# Altium PCB PCB2.PcbDoc (part 1 of 2) (continued)
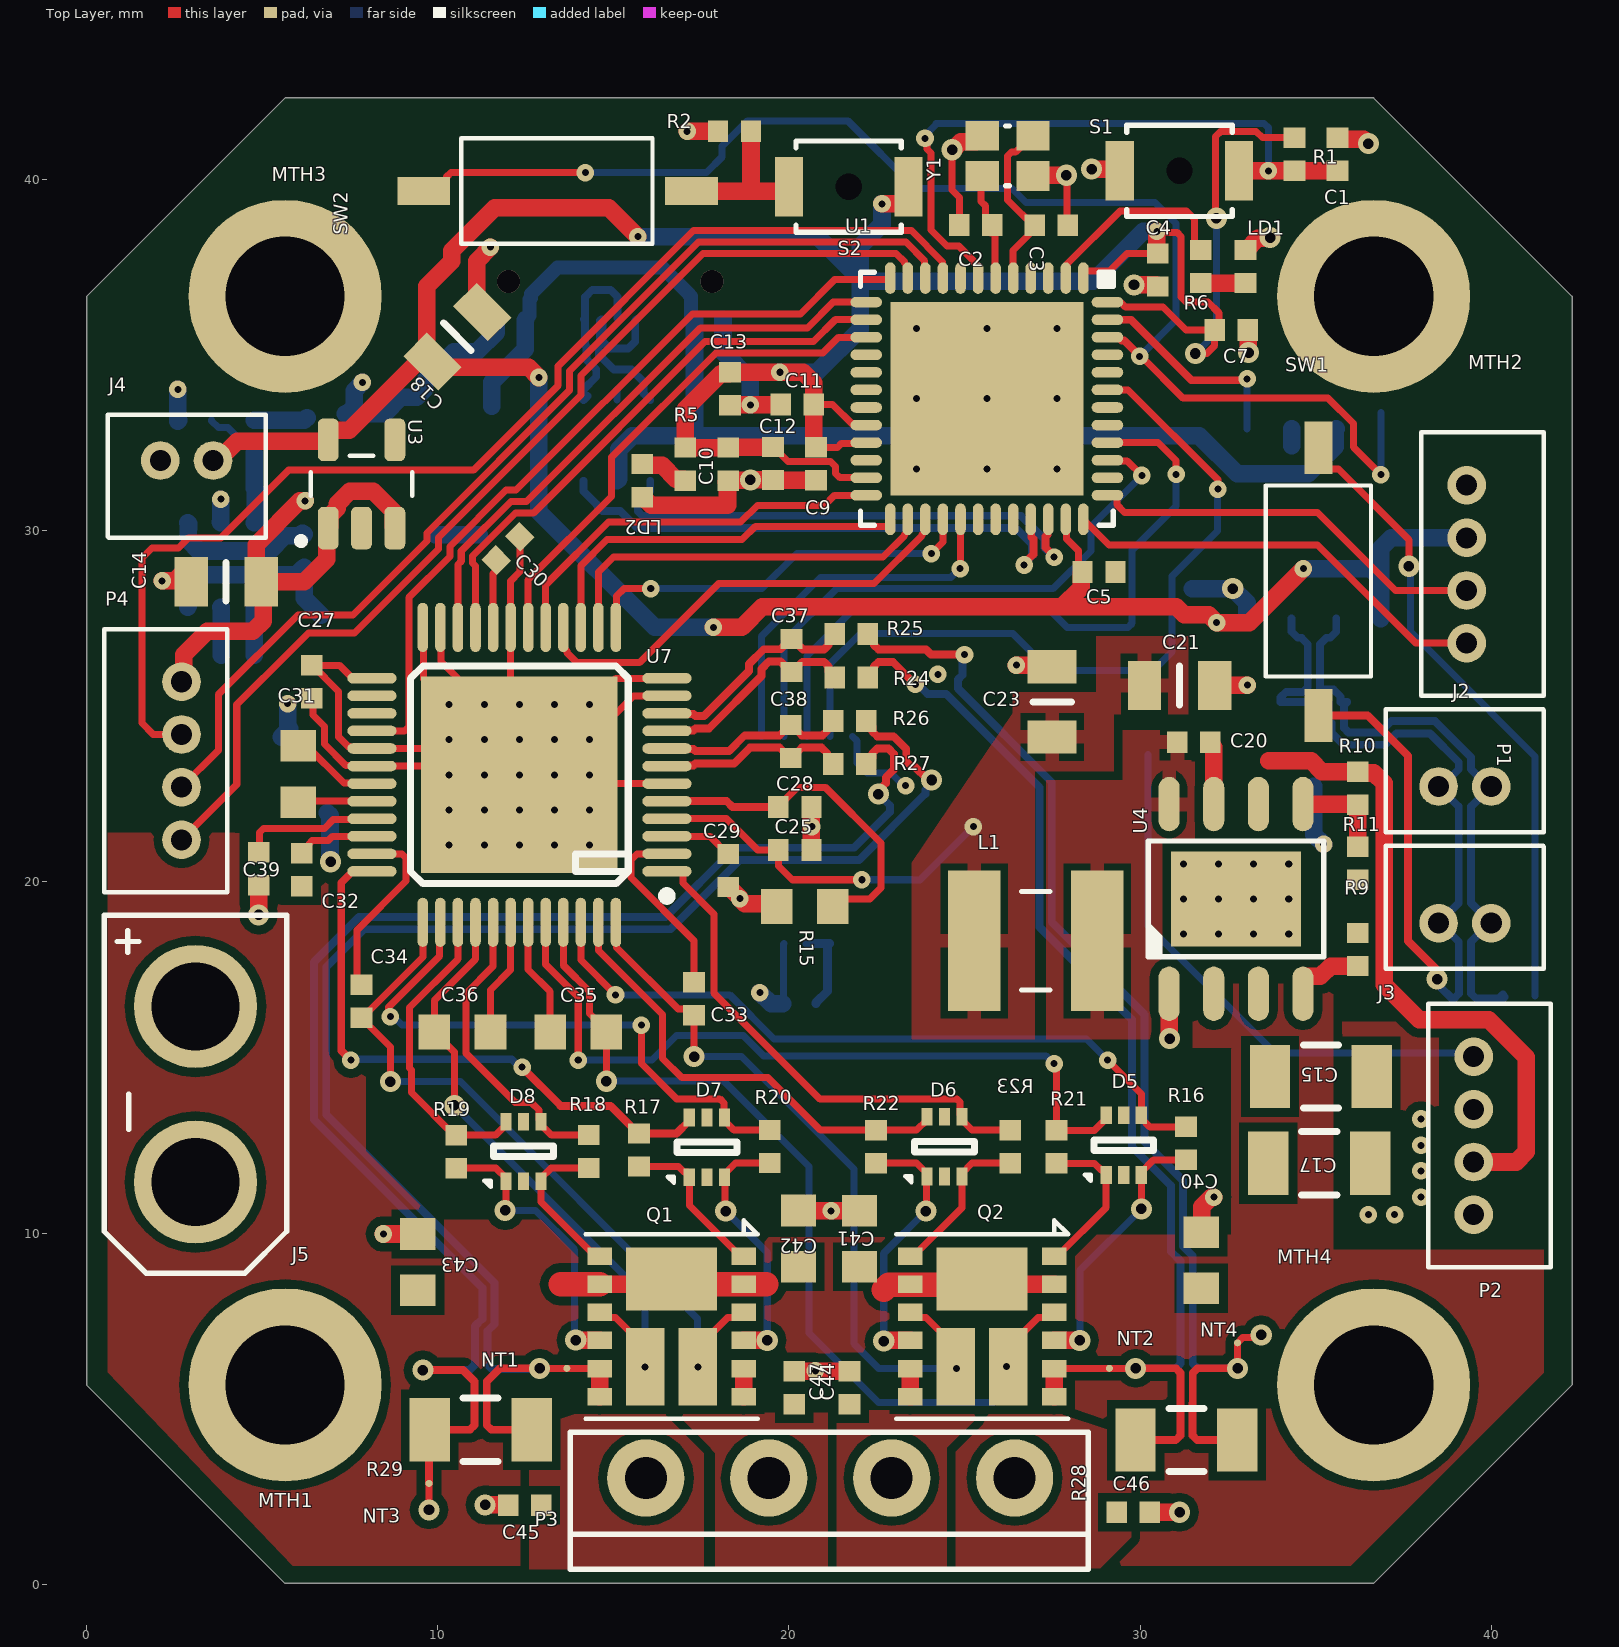
[diagram p0: Top Layer view]
## Components (designator, comment, footprint, x,y, rotation, side; value= is the part's Value field where it differs from the comment) (continued)
NT1 "Net_Tie" Net_Tie 13.675,6.15 r180 top net-tie
NT2 "Net_Tie" Net_Tie 29.125,6.15 r0 top net-tie
NT3 "Net_Tie" Net_Tie 9.75,2.121 r90 top net-tie
NT4 "Net_Tie" Net_Tie 32.775,6.875 r270 top net-tie
P1 "JST-1.5-4x" "JST- 4X - 1.5" 39.3,29.05 r270 top
P2 "JST-1.5-4x" "JST- 4X - 1.5" 39.5,12.775 r270 top
P3 "15EDGRC-3.5-04P Dinkle" 15EDGRC-3.5-04P 15.925,3.025 r0 top
P4 "JST-1.5-4x" "JST- 4X - 1.5" 2.703,23.45 r90 top
Q1 "DMHT6016LFJ" "V-DFN5045-12 (Type B)" 16.657,7.343 r270 top
Q2 "DMHT6016LFJ" "V-DFN5045-12 (Type B)" 25.5,7.343 r270 top
R1 "10K 1/5W" 0402 34.4,40.724 r90 top
R2 "10K 1/5W" 0402 18.45,41.375 r180 top
R5 "1.5 kOhm 1/16W" 0402 17.05,31.9 r270 top
R6 "1.5 kOhm 1/16W" 0402 31.724,37.525 r90 top
R7 "120 Ohm 1/8 W" 0402 40.85,16.725 r0 bottom
R8 "100 kOhm 1/8 W" 0402 4.3,26.375 r180 bottom
R9 "25,5 kOhm 1/16 W" 0402 36.197,18.075 r270 top
R10 "100 kOhm 1/8 W" 0402 36.197,22.672 r90 top
R11 "9.09 kOhm 1/16 W" 0402 36.197,20.528 r90 top
R12 "54,9 kOhm 1/16 W" 0402 4.775,32.675 r90 bottom
R13 "10K 1/5W" 0402 3.091,33.15 r0 bottom
R15 "2.2 Ohm 1/10 W" 0603 20.45,19.3 r180 top
R16 "10 Ohm 1/16 W" 0402 31.311,12.554 r270 top
R17 "10 Ohm 1/16 W" 0402 15.729,12.368 r270 top
R18 "10 Ohm 1/16 W" 0402 14.3,12.325 r270 top
R19 "10 Ohm 1/16 W" 0402 10.525,12.318 r270 top
R20 "10 Ohm 1/16 W" 0402 19.454,12.468 r270 top
R21 "10 Ohm 1/16 W" 0402 27.62,12.454 r270 top
R22 "10 Ohm 1/16 W" 0402 22.478,12.462 r270 top
R23 "10 Ohm 1/16 W" 0402 26.303,12.462 r270 top
R24 "47 Ohm 1/16 W" 0402 21.775,25.825 r0 top
R25 "47 Ohm 1/16 W" 0402 21.775,27.059 r0 top
R26 "47 Ohm 1/16 W" 0402 21.735,24.584 r0 top
R27 "47 Ohm 1/16 W" 0402 21.735,23.359 r0 top
R28 "0.05 Ohm 1 W" 1206 31.321,4.104 r180 top
R29 "0.05 Ohm 1 W" 1206 11.221,4.4 r0 top
S1 "B3U1000PB" B3U1000PB 31.121,40.25 r180 top
S2 "B3U1000PB" B3U1000PB 21.699,39.8 r180 top
SW1 "Switch_DIP" "SMD 2.9x5.4mm" 35.075,28.55 r90 top
SW2 "Switch_DIP" "SMD 2.9x5.4mm" 13.414,39.675 r180 top
U1 "STM32G431CBU6" QFN-48-0.5-7x7_TP 25.636,33.761 r270 top
U2 "CAN_FD" SOIC-8 34.95,30.2 r270 bottom
U3 "LP5907MFX-3.3/NOPB" SOT23-5 7.829,31.333 r90 top
U4 "LMR38020" SOIC-8_TP 32.733,19.517 r90 top
U5 "LMR16006YDDCR" SOT-23-6 3.825,29.025 r270 bottom
U6 "AS5047P" TSSOP-14-0.65 21.163,21.195 r270 bottom
U7 "TMC5160" TQFP48-0.5-EP 12.324,23.05 r180 top locked
Y1 "48MHz 7pF ±10ppm" 2016 26.225,40.675 r180 top

## Footprints (in the part's own frame and the unit in brackets; to place one, negate y for a bottom-side part, rotate by r counter-clockwise, add the part's x,y. Pads: shape width x height; smd on the part's side, far side on the other; paste and mask are expansions set on the pad)
15EDGRC-3.5-04P [mm]
  round 2.2 hole 1.2: 1(0,0) 2(3.5,0) 3(7,0) 4(10.5,0)
  silkscreen extent -2.15,-2.6 12.6,1.3, body extent -2.15,-8 12.65,1.2, height 7.25
0402 [mm] "Chip Resistor, EIA 0402, Metric 1005, Body 1.0x0.5mm, IPC Medium Density"
  rect 0.58x0.62 smd: 1(-0.47,0) 2(0.47,0)
  body extent -0.52,-0.27 0.52,0.27, height 0.55
"0402 GREEN FLAT" [mm] "Chip Resistor, EIA 0402, Metric 1005, Body 1.0x0.5mm, IPC Medium Density"
  rect 0.58x0.62 smd: 1(-0.47,0) 2(0.47,0)
  body extent -0.5,-0.25 0.5,0.25, height 0.25
"0402 RED FLAT" [mm] "Chip Resistor, EIA 0402, Metric 1005, Body 1.0x0.5mm, IPC Medium Density"
  rect 0.58x0.62 smd: 1(-0.47,0) 2(0.47,0)
  body extent -0.5,-0.25 0.5,0.25, height 0.25
0603 [mm] "Chip Resistor, EIA 0603, Metric 1608, Body 1.6x0.8mm, IPC Medium Density"
  rect 0.9x1 smd: 1(-0.8,0) 2(0.8,0)
  body extent -0.87,-0.47 0.88,0.48, height 0.85
0805 [mm] "Chip Resistor, EIA 0805, Metric 2012, Body 2.0x1.2mm, IPC Medium Density"
  rect 0.95x1.4 smd: 1(-1,0) 2(1,0)
  silkscreen extent 0,-0.55 0,0.55, body extent -1.05,-0.67 1.05,0.68, height 1.1
1206 [mm] "Chip Resistor, EIA 1206, Metric 3216, Body 3.2x1.6mm, IPC Medium Density"
  rect 1.15x1.8 smd: 1(-1.45,0) 2(1.45,0)
  silkscreen extent -0.5,-0.9 0.5,0.9, body extent -1.7,-0.9 1.7,0.9, height 0.94
2016 [mm] "Crystal 2.0 x 1.6 mm"
  rect 0.95x0.85 smd: 1(-0.725,-0.575) 2(0.725,-0.575) 3(0.725,0.575) 4(-0.725,0.575)
  silkscreen extent -0.05,-0.85 0.05,0.85, body extent -1.05,-0.85 1.05,0.85, height 0.56
B3U1000PB [mm] "Ultra-small tactile switch"
  rect 0.8x1.7 smd: 1(-1.7,0) 2(1.7,0)
  round 0 hole 0.75: 3(0,0)
  silkscreen extent -1.5,-1.3 1.5,1.3, body extent -2,-1.25 2,1.25, height 1.6
"JST- 2 X - 1.5" [mm]
  round 1.1 hole 0.6: 1(-0.75,0) 2(0.75,0)
  silkscreen extent -2.25,-1.3 2.25,2.2, body extent -2.25,-1.3 2.25,2.2, height 4.5
"JST- 4X - 1.5" [mm]
  round 1.1 hole 0.6: 1(-2.25,0) 2(-0.75,0) 3(0.75,0) 4(2.25,0)
  silkscreen extent -3.75,-1.3 3.75,2.2, body extent -3.72,-1.3 3.78,2.2, height 4.5
MTH [mm]
  round 5.5 hole 3.4: MTH(0,0)
Net_Tie [mm]
  round 0.2 smd: 1(0.75,0) 2(0,0)
  Top Layer lines w0.2: 0.75,0 0,0
QFN-48-0.5-7x7_TP [mm]
  round 0.5 / inner round 0.6 / far side round 0.6 hole 0.2: 0(-2,2) 0(-2,0) 0(-2,-2) 0(0,2) 0(0,0) 0(0,-2) 0(2,2) 0(2,0) 0(2,-2)
  rect 5.5x5.5 smd: 0(0,0)
  oval 0.9x0.3 smd: 1(-3.435,2.75) 2(-3.435,2.25) 3(-3.435,1.75) 4(-3.435,1.25) 5(-3.435,0.75) 6(-3.435,0.25) 7(-3.435,-0.25) 8(-3.435,-0.75) 9(-3.435,-1.25) 10(-3.435,-1.75) 11(-3.435,-2.25) 12(-3.435,-2.75) 25(3.435,-2.75) 26(3.435,-2.25) 27(3.435,-1.75) 28(3.435,-1.25) 29(3.435,-0.75) 30(3.435,-0.25) 31(3.435,0.25) 32(3.435,0.75) 33(3.435,1.25) 34(3.435,1.75) 35(3.435,2.25) 36(3.435,2.75)
  oval 0.3x0.9 smd: 13(-2.75,-3.435) 14(-2.25,-3.435) 15(-1.75,-3.435) 16(-1.25,-3.435) 17(-0.75,-3.435) 18(-0.25,-3.435) 19(0.25,-3.435) 20(0.75,-3.435) 21(1.25,-3.435) 22(1.75,-3.435) 23(2.25,-3.435) 24(2.75,-3.435) 37(2.75,3.435) 38(2.25,3.435) 39(1.75,3.435) 40(1.25,3.435) 41(0.75,3.435) 42(0.25,3.435) 43(-0.25,3.435) 44(-0.75,3.435) 45(-1.25,3.435) 46(-1.75,3.435) 47(-2.25,3.435) 48(-2.75,3.435)
  silkscreen extent -3.6,-3.6 3.6,3.6, body extent -3.51,-3.51 3.51,3.51, height 0.78
"SMD 2.9x5.4mm" [mm]
  rect 1.5x0.8 smd: 1(-3.81,0) 2(3.81,0)
  silkscreen extent -2.7,-1.5 2.74,1.5, body extent -4.2,-1.44 4.3,1.43, height 2.36
SOD-123FL [mm] "SODFL, 2-Leads, Body 1,65x3,60mm, IPC Medium Density"
  rect 1.1x1.1 smd: 1(-1.525,0) 2(1.525,0)
  silkscreen extent -0.7,-0.8 -0.6,0.8, body extent -1.8,-0.82 1.8,0.82, height 0.95
SOIC-8 [mm]
  oval 1.55x0.6 smd: 1(-2.7,1.905) 2(-2.7,0.635) 3(-2.7,-0.635) 4(-2.7,-1.905) 5(2.7,-1.905) 6(2.7,-0.635) 7(2.7,0.635) 8(2.7,1.905)
  silkscreen extent -1.65,-2.5 1.65,2.5, body extent -3.1,-2.5 3.1,2.5, height 1.75
SOIC-8_TP [mm]
  rect 2.71x3.7 smd: 0(0,0)
  oval 1.55x0.6 smd: 1(-2.7,1.905) 2(-2.7,0.635) 3(-2.7,-0.635) 4(-2.7,-1.905) 5(2.7,-1.905) 6(2.7,-0.635) 7(2.7,0.635) 8(2.7,1.905)
  silkscreen extent -1.65,-2.5 1.65,2.5, body extent -3.1,-2.5 3.1,2.5, height 1.75
SOT23-5 [mm]
  rrect50% 1.21x0.59 smd: 1(-1.255,0.95) 2(-1.255,0) 3(-1.255,-0.95) 4(1.255,-0.95) 5(1.255,0.95)
  silkscreen extent -1.72,-1.45 0.8,1.82, body extent -1.4,-1.45 1.4,1.45, height 1.45
SOT23-6L [mm] "SOT23, 6-Leads, Body 2,93x2,80mm, Pitch 0,95mm, IPC Medium Density"
  rect 1.2x0.6 smd: 1(-1.15,0.95) 2(-1.15,0) 3(-1.15,-0.95) 4(1.15,-0.95) 5(1.15,0) 6(1.15,0.95)
  silkscreen extent -1.59,-1.55 0.5,1.84, body extent -1.6,-1.52 1.6,1.52, height 1.45
SOT563-6 [mm]
  rect 0.5x0.32 smd: 1(-0.85,0.5) 2(-0.85,0) 3(-0.85,-0.5) 4(0.85,-0.5) 5(0.85,0) 6(0.85,0.5)
  silkscreen extent -1.01,-0.85 0.15,1.11, body extent -0.63,-0.85 0.63,0.85, height 0.6
SOT-23 [mm]
  rect 0.8x0.55 smd: 1(-1.2,0.95) 2(-1.2,-0.95) 3(1.2,0)
  Top Layer pour cut-out: -1.6,1.225 -1.6,-1.225 0.8,-1.225 0.8,1.225
  silkscreen extent -0.3,-1.45 0.3,1.45, body extent -1.25,-1.5 1.25,1.5, height 1.2
SOT-23-6 [mm]
  rect 0.8x0.55 smd: 1(-1.2,0.95) 2(-1.2,0) 3(-1.2,-0.95) 4(1.2,-0.95) 5(1.2,0) 6(1.2,0.95)
  silkscreen extent -1.6,-1.5 1.6,1.55, body extent -1.4,-1.5 1.48,1.5, height 1.1
SRN5040 [mm] "Semi-shielded Power Inductors"
  rect 1.5x4 smd: 1(-1.75,0) 2(1.75,0)
  silkscreen extent -0.4,-1.4 0.4,1.4, body extent -2.5,-2.51 2.5,2.51, height 3.45
TQFP48-0.5-EP [mm]
  oval 1.4x0.3 smd: 1(-4.2,2.75) 2(-4.2,2.25) 3(-4.2,1.75) 4(-4.2,1.25) 5(-4.2,0.75) 6(-4.2,0.25) 7(-4.2,-0.25) 8(-4.2,-0.75) 9(-4.2,-1.25) 10(-4.2,-1.75) 11(-4.2,-2.25) 12(-4.2,-2.75) 25(4.2,-2.75) 26(4.2,-2.25) 27(4.2,-1.75) 28(4.2,-1.25) 29(4.2,-0.75) 30(4.2,-0.25) 31(4.2,0.25) 32(4.2,0.75) 33(4.2,1.25) 34(4.2,1.75) 35(4.2,2.25) 36(4.2,2.75)
  oval 0.3x1.4 smd: 13(-2.75,-4.2) 14(-2.25,-4.2) 15(-1.75,-4.2) 16(-1.25,-4.2) 17(-0.75,-4.2) 18(-0.25,-4.2) 19(0.25,-4.2) 20(0.75,-4.2) 21(1.25,-4.2) 22(1.75,-4.2) 23(2.25,-4.2) 24(2.75,-4.2) 37(2.75,4.2) 38(2.25,4.2) 39(1.75,4.2) 40(1.25,4.2) 41(0.75,4.2) 42(0.25,4.2) 43(-0.25,4.2) 44(-0.75,4.2) 45(-1.25,4.2) 46(-1.75,4.2) 47(-2.25,4.2) 48(-2.75,4.2)
  rect 5.6x5.6 smd: 49(0,0)
  silkscreen extent -4.33,-3.1 3.1,3.57, body extent -4.5,-4.5 4.5,4.5, height 1.15
TSSOP-14-0.65 [mm]
  rect 1.4x0.45 smd: 1(-2.95,1.95) 2(-2.95,1.3) 3(-2.95,0.65) 4(-2.95,0) 5(-2.95,-0.65) 6(-2.95,-1.3) 7(-2.95,-1.95) 8(2.95,-1.95) 9(2.95,-1.3) 10(2.95,-0.65) 11(2.95,0) 12(2.95,0.65) 13(2.95,1.3) 14(2.95,1.95)
  silkscreen extent -3.07,-2.55 1.85,2.85, body extent -3.2,-2.55 3.2,2.55, height 1.1
U262-161N-4BSS73-T [mm]
  rect 2.18x2 smd: 1(-5.11,1.7) 2(-5.11,-2.2) 3(5.11,1.7) 4(5.11,-2.2)
  rect 0.6x1.15 smd: A1B12(-3.19,2.2) A4B9(-2.39,2.2) A9B4(2.41,2.2) A12B1(3.21,2.2)
  rect 0.3x1.15 smd: A5(-1.24,2.2) A6(-0.24,2.2) A7(0.26,2.2) A8(1.26,2.2) B5(1.76,2.2) B6(0.76,2.2) B7(-0.74,2.2) B8(-1.74,2.2)
  silkscreen extent -4.5,-5.05 4.65,0.46, body extent -5.5,-5.07 5.5,2.78, height 3.2
"V-DFN5045-12 (Type B)" [mm]
  rect 0.5x0.7 smd: 1(-2,2.05) 2(-1.2,2.05) 3(-0.4,2.05) 4(0.4,2.05) 5(1.2,2.05) 6(2,2.05) 7(2,-2.05) 8(1.2,-2.05) 9(0.4,-2.05) 10(-0.4,-2.05) 11(-1.2,-2.05) 12(-2,-2.05)
  rect 1.8x2.6 smd: 13(-1.35,0)
  rect 2.2x1.1 smd: 14(1.15,0.75) 15(1.15,-0.75)
  silkscreen extent -3.03,-2.45 2.63,2.45, body extent -2.52,-2.28 2.53,2.27, height 0.75
XT30U-M [mm]
  round 3.5 hole 2.5: 1(2.5,0) 2(-2.5,0)
  silkscreen extent -5.1,-2.6 5.1,2.6, body extent -5.14,-2.77 5.15,2.77, height 10.8

## Part data
C1 C4 C5 C6 C7 C8 C9 C11 C13 C19 C20 C26 C30: library part "Capacitor ceramic", "Ceramic capacitor", Capacitance=100nF, Dielectric=X7R, Manufacturer=Yageo, Tolerance=±10%, Voltage=16V, BOMString="100nF 16V ±10% 0402", Name=CC0402KRX7R7BB104
C2 C3: library part "Capacitor ceramic", "Ceramic capacitor", Capacitance=4pF, Dielectric="C0G (NP0)", Manufacturer=Murata, Tolerance="±0.25 pF", Voltage=50V, BOMString="4pF 50V ±0.25 pF 0402", Name=CC0402CRNPO9BN4R0
C10 C12: library part "Capacitor ceramic", "Ceramic capacitor", Capacitance="1 µF", Dielectric=X5R, Manufacturer=Yageo, Tolerance=±10%, Voltage=16V, BOMString="1 µF 16V ±10% 0402", Name=CC0402KRX5R7BB105
C14 C18 C21 C22 C23: library part "Capacitor ceramic", "Ceramic capacitor", Capacitance="10 µF", Dielectric=X5R, Manufacturer=MURATA, Tolerance=±10%, Voltage=16V, BOMString="10 µF 16V ±10% 0805", HQ Part=CA0134789, Name=GRM21BR61C106KE15L
C15: library part "Capacitor ceramic", "Ceramic capacitor", Capacitance="4,7 µF", Dielectric=X5R, Manufacturer="Taiyo Yuden", Tolerance=±10%, Voltage=100V, BOMString="4,7 µF 100V ±10% 1206", Name=HMK325BJ475KN-TE
C16: library part "Capacitor ceramic", "Ceramic capacitor", Capacitance="1 µF", Dielectric=X5R, Manufacturer=Yageo, Tolerance=±10%, Voltage=100V, BOMString="1 µF 100V ±10% 0805", Name=CC0805KKX7R0BB105
C17 C25 C32 C39: library part "Capacitor ceramic", "Ceramic capacitor", Capacitance="100 nF", Dielectric=X5R, Manufacturer=MURATA, Tolerance=±10%, Voltage=100V, Name=GRM155R62A104KE14D
  C17: BOMString="100 nF 100V ±10% 1206"
  C25 C32 C39: BOMString="100 nF 100V ±10% 0402"
C24: library part "Capacitor ceramic", "Ceramic capacitor", Capacitance="22 µF", Dielectric=X5R, Manufacturer=Yageo, Tolerance=±10%, Voltage=10V, BOMString="22 µF 10V ±10% 0603", Name=CC0603MRX5R6BB226
C27: library part Cap, "Capacitor", Capacitance=470nF, Manufacturer=Walsin, Tolerance=±10%, Voltage=50V, BOMString="470nF 50V ±10% 0402", Name=0402X474K500CT
C28 C29: library part "Capacitor ceramic", "Ceramic capacitor", Capacitance=2.2μF, Dielectric=X5R, Manufacturer=FH, Tolerance=20%, Voltage=16V, BOMString="2.2μF 16V 20% 0402", Name=0402X225M160NT
C31: library part "Capacitor ceramic", "Ceramic capacitor", Capacitance="22 nF", Dielectric=X7R, Manufacturer=Yageo, Tolerance=±10%, Voltage=100V, BOMString="22 nF 100V ±10% 0603", Name=CC0603KRX7R0BB223
C33 C34 C35 C36: library part "Capacitor ceramic", "Ceramic capacitor", Capacitance="220 nF", Dielectric=X7R, Manufacturer=CCTC, Tolerance=±10%, Voltage=25, Name=TCC0402X7R224K250AT
  C33 C34: BOMString="220 nF 25 ±10% 0402"
  C35 C36: BOMString="220 nF 25 ±10% 0603"
C37 C38: library part "Capacitor ceramic", "Ceramic capacitor", Capacitance="2.2 nF", Dielectric=X7R, Manufacturer=CCTC, Tolerance=±10%, Voltage=100V, BOMString="2.2 nF 100V ±10% 0402", Name=GRM155R72A222KA01D
C40 C41 C42 C43: library part "Capacitor ceramic", "Ceramic capacitor", Capacitance="220 nF", Dielectric=X7S, Manufacturer="Taiyo Yuden", Tolerance=±10%, Voltage=100V, BOMString="220 nF 100V ±10% 0603", Name=HMK107C7224KAHTE
C44 C45 C46 C47: library part "Capacitor ceramic", "Ceramic capacitor", Capacitance="1 nF", Dielectric=X7R, Manufacturer=Yageo, Tolerance=±10%, Voltage=100V, BOMString="1 nF 100V ±10% 0402", Name=CC0402KRX7R0BB102
D2: library part TWS_USB_sot23, "TWS", Manufacturer=ST, BOMString="USBLC6-2SC6 3.3", Name=USBLC6-2SC6, Price=0, Price10k=0
D3: library part ZenerDiodeDoubleCCBidir, "Zener Diode double CC", Manufacturer=ON, BOMString="ESD VRWM=24V, VBR(Min)=26.2 V, VC=44 V, IPP = 8A, Ppp = 350W, SOT23", Device=diode, HQ Part=CP0103362, Name=NUP2105LT1G, Price(1)=0, Price(100)=0, Supplier=supplier
D4: library part SchottkyDiode, "Schottky Diode", Manufacturer=ST, Voltage="60 V", BOMString="STPS0560Z  60 V 'SOD-123FL", Device=diode, HQ Part=DS0002882, Name=STPS0560Z, Price(1)=0, Price(100)=0, Supplier=supplier
L1 L2: library part "Inductance cored", "Inductor with iron core", Current="1.5 A", Inductance=22uH, Manufacturer=Sunlord, Resistance=168mΩ, Tolerance=±20%, BOMString="22uH ±20% SRN5040", HQ Part=IN0024300, Name=SWPA5040S220MT
LD1: library part "LED Green", "Green LED", Color=Green, Current="15 mA", Manufacturer=YONGYU, BOMString="SZYY0402G (Green) /  15 mA 0402 GREEN FLAT", Name=SZYY0402G
LD2: library part "LED Red", "Red LED", Color=Red, Current="20 mA", Manufacturer=ROHM, BOMString="SML-P11UTT86R (Red) /  20 mA 0402 RED FLAT", Name=SML-P11UTT86R
P3: library part TerminalBlock4, Manufacturer=Dinkle, HelpURL=https://static.chipdip.ru/lib/874/DOC000874642.pdf, Name=15EDGRC-3.5-04P, Supplier=https://www.chipdip.ru/product/ech381v-05p
R1 R2 R13: library part Resistor, "Thin Film Chip Resistor", Manufacturer=YAGEO, Power=1/5W, Resistance=10K, Tolerance=±1%, BOMString="10K ±1% 1/5W 0402", Name=SR0402FR-7T10KL
R5 R6: library part Resistor, "Thin Film Chip Resistor", Manufacturer=YAGEO, Power=1/16W, Resistance="1.5 kOhm", Tolerance=±1%, BOMString="1.5 kOhm ±1% 1/16W 0402", Name=AC0402FR-071K5L
R7: library part Resistor, "Thick Film Chip Resistor", Manufacturer=Yageo, Power="1/8 W", Resistance="120 Ohm", Tolerance=±1%, BOMString="120 Ohm ±1% 1/8 W 0402", HQ Part=RE0210070, Name=RC0402FR-7W120RL, Supplier 1="Future Electronics"
R8 R10: library part Resistor, "Thik Film Chip Resistor", Manufacturer=Yageo, Power="1/8 W", Resistance="100 kOhm", Tolerance=±1%, BOMString="100 kOhm ±1% 1/8 W 0402", Name=RC0402FR-7W100KL
  R10: HQ Part=RE0186870
R9: library part Resistor, "Thik Film Chip Resistor", Manufacturer=Yageo, Power="1/16 W", Resistance="25,5 kOhm", Tolerance=±1%, BOMString="25,5 kOhm ±1% 1/16 W 0402", Name=RC0402FR-0725K5L
R11: library part Resistor, "Thik Film Chip Resistor", Manufacturer=Ralec, Power="1/16 W", Resistance="9.09 kOhm", Tolerance=±1%, BOMString="9.09 kOhm ±1% 1/16 W 0402", Name=RTT029091FTH
R12: library part Resistor, "Thik Film Chip Resistor", Manufacturer=Yageo, Power="1/16 W", Resistance="54,9 kOhm", Tolerance=±1%, BOMString="54,9 kOhm ±1% 1/16 W 0402", HQ Part=RE0186870, Name=RC0402FR-0754K9L
R15: library part Resistor, "Thik Film Chip Resistor", Manufacturer=Uniohm, Power="1/10 W", Resistance="2.2 Ohm", Tolerance=±1%, BOMString="2.2 Ohm ±1% 1/10 W 0603", Name=0603WAF220KT5E
R16 R17 R18 R19 R20 R21 R22 R23: library part Resistor, "Thik Film Chip Resistor", Manufacturer=Yageo, Power="1/16 W", Resistance="10 Ohm", Tolerance=±1%, BOMString="10 Ohm ±1% 1/16 W 0402", Name=AC0402FR-0710RL
R24 R25 R26 R27: library part Resistor, "Thik Film Chip Resistor", Manufacturer=Yageo, Power="1/16 W", Resistance="47 Ohm", Tolerance=±1%, BOMString="47 Ohm ±1% 1/16 W 0402", Name=RC0402FR-0747RL
R28 R29: library part Resistor, "Thik Film Chip Resistor", Manufacturer=Panasonic, Power="1 W", Resistance="0.05 Ohm", Tolerance=±1%, BOMString="0.05 Ohm ±1% 1 W 1206", Name=ERJ-8CWFR050V
S1 S2: library part TactileButton2pin, "SMD Tactile switch", BOMString=B3U1000PB, Datasheet=http://www.te.com/usa-en/product-1437566-3.html, Name=B3U1000PB, Price(1)=0.218, Price(100)=0.1817, Supplier=http://www.compel.ru/infosheet/TE/1437566-3
U3: "\"Low-dropout regulator\""
Y1: library part "Crystal 4 pin", "Quartz crystal", Frequency="48MHz 7pF", Manufacturer="HD FREQUENCY", Tolerance=±10ppm, BOMString="48MHz 7pF ±10ppm 2016", HelpURL=http://geyer-electronic.de/uploads/tx_userartikelfrequenz/GEYER-KX-9A_01.pdf, Name=7D048000C01

## Via types
v1: diameter 0.5/0.5 (per signal layer), hole 0.2, Top Layer to Bottom Layer, 57 vias
v2: diameter 0.5, hole 0.2, Top Layer to Bottom Layer, 45 vias
v3: diameter 0.6/0.6 (per signal layer), hole 0.3, Top Layer to Bottom Layer, 38 vias
v4: diameter 0.65, hole 0.65, Top Layer to Bottom Layer, 2 vias

## Nets (pads, with @x,y where several pads share a name; then routed paths per layer and width w, separated by ;. In a path a pad name is that pad's centre, name@x,y a point inside that pad or via, vN(x,y) a via of type N, cw(c..) or ccw(c..) an arc to the next point about the centre after c; other vN are vias at no path point)
3.3V: C4.2 C5.2 C7.2 C8.2 C9.2 C10.1 C11.2 C12.1 C13.2 C18.1 C30.2 J4.1 P1.2 R1.2 R5.1 S2.1 U1.1 U1.20 U1.21 U1.23 U1.35 U1.48 U2.5 U3.5 U7.20 | length 120.8
  Top Layer w0.2: U7.20@11.574,27.25 11.574,28.777 11.682,28.885 11.682,29.154 C30.2@11.668,29.168 ; C12.1@19.572,32.381 19.977,31.976 21.185,31.976 21.331,31.829 21.331,31.63 21.451,31.511 U1.23@22.201,31.511 ; C11.2@20.706,33.6 21.246,33.6 21.816,33.03 22.182,33.03 U1.20@22.201,33.011 ; C9.2@20.772,32.376 21.381,32.376 21.498,32.492 22.182,32.492 U1.21@22.201,32.511 ; U1.35@27.886,30.326 27.905,30.307 27.905,29.773 28.24,29.438 28.24,28.945 C5.2@28.36,28.825 ; U1.1@28.386,37.196 28.386,37.35 28.432,37.396 29.132,37.396 29.631,37.895 C4.2@30.5,37.895 ; U1.48@29.071,36.511 29.444,36.511 29.578,36.377 30.648,36.377 31.309,35.716 C7.2@32.13,35.716 ; v1(30.475,38.525) 30.5,38.5 31.047,38.5 31.164,38.383 31.164,36.661 31.311,36.515 31.935,36.515 32.241,36.209 32.241,35.827 C7.2@32.13,35.716 ; v3(31.575,35.049) 31.899,35.049 32.125,35.275 32.125,35.711 C7.2@32.13,35.716 ; v3(32.175,38.9) 32.143,38.932 32.143,39.493 32.149,39.499 32.149,41.229 32.296,41.375 33.303,41.375 33.484,41.194 R1.2@34.4,41.194
  Top Layer w0.5: J4.1@3.525,31.775 4.294,32.544 6.879,32.544 6.879,32.813 6.924,32.858 7.476,32.858 9.484,34.866 C18.1@9.802,34.866 ; v1(12.879,34.365) 12.585,34.659 10.009,34.659 C18.1@9.85,34.818 C18.1@9.802,34.866 ; v1(15.7,38.375) 14.875,39.2 11.625,39.2 10.4,37.975 10.4,37.677 9.691,36.968 9.691,34.977 C18.1@9.802,34.866 ; v1(17.85,27.25) 18.663,27.25 19.244,27.832 27.777,27.832 ; v1@19.554,34.514 C13.2@18.323,34.514 18.283,34.474 18.057,34.474 17.05,33.467 R5.1@17.05,32.37 C10.1@18.275,32.37 18.283,32.378 19.539,32.378 C12.1@19.547,32.386 19.552,32.381 C12.1@19.572,32.381 ; v1@19.607,34.514 v1(19.744,34.514) 20.413,34.514 20.706,34.221 C11.2@20.706,33.6 20.706,32.54 20.712,32.534 20.712,32.416 20.752,32.376 C9.2@20.772,32.376 ; v1(22.65,39.307) 23.249,39.307 23.399,39.457 S2.1@23.399,39.8 ; C5.2@28.36,28.825 28.32,28.785 28.32,28.375 27.777,27.832 ; v1(30.475,38.525) 30.475,37.92 C4.2@30.5,37.895 ; v1(34.65,28.925) 33.107,27.382 v1(32.181,27.382) 31.96,27.603 31.252,27.603 31.023,27.832 27.777,27.832
  Bottom Layer w0.2: v3(31.575,35.049) 32.175,35.649 v3(32.175,38.9)
  Bottom Layer w0.5: v1(12.879,34.365) 12.879,30.546 16.176,27.25 v1(17.85,27.25) ; v1(15.7,38.375) 20.816,38.375 22.025,37.166 ; v1(19.744,34.514) 20.795,34.514 22.025,35.744 22.025,37.166 ; 22.025,37.1 28.668,37.1 30.093,38.525 v1(30.475,38.525) ; v1(22.65,39.307) 22.65,38.725 22.025,38.1 22.025,37.166 ; v1(34.65,28.925) 36.575,28.925 36.855,28.645 ; U2.5@36.855,27.5 36.855,28.645 ; P1.2@39.3,29.8 37.148,29.8 36.855,29.507 36.855,28.645
5V: C6.2 C14.1 C22.1 C24.1 D2.5 J1.A4B9 J1.A9B4 L2.2 P4.4 R12.2 U2.3 U3.1 U3.3 | length 52.6
  Top Layer w0.5: P4.4@2.703,25.7 2.771,25.768 2.771,26.471 3.438,27.137 4.732,27.137 5.025,27.43 5.025,28.275 C14.1@4.975,28.325 ; v1(6.225,30.85) 6.075,30.85 4.825,29.6 4.825,28.475 C14.1@4.975,28.325 ; U3.1@6.879,30.07 6.834,30.025 6.834,29.184 6.2,28.55 C14.1@4.975,28.55 C14.1@4.975,28.325 ; U3.1@6.879,30.078 6.924,30.123 6.924,30.433 7.134,30.643 7.134,30.762 7.497,31.125 8.161,31.125 8.734,30.552 8.734,30.123 U3.3@8.779,30.078
  Bottom Layer w0.225: J1.A9B4@17.21,36.125 J1.A9B4@17.31,36.025
  Bottom Layer w0.4: J1.A4B9@12.51,36.025 12.61,36.125 12.61,36.584 12.66,36.634 12.66,36.745 13.415,37.5 16.405,37.5 17.16,36.745 17.16,36.725 17.21,36.675 J1.A9B4@17.21,36.125
  Bottom Layer w0.5: R12.2@4.775,33.145 6.195,33.145 6.275,33.225 ; L2.2@9.925,29.882 L2.2@11.175,29.882 ; 11.535,33.55 11.535,34.225 12.485,35.175 12.485,36 J1.A4B9@12.51,36.025 ; D2.5@15.1,31.425 15.15,31.475 15.15,32.316 15.534,32.7 17.31,32.7 ; J1.A9B4@17.31,36.025 17.31,32.7 ; U2.3@35.585,32.9 35.552,32.867 35.552,32.392 34.785,31.625 32.765,31.625 31.69,32.7 17.31,32.7
5VOUT: C28.2 R15.1 U7.5 | length 9.9
  Top Layer w0.2: C28.2@19.701,22.135 19.701,22.155 20.241,22.695 21.034,22.695 22.624,21.106 22.624,19.835 22.302,19.513 21.255,19.513 R15.1@21.239,19.496
  Top Layer w0.225: U7.5@16.524,22.3 18.226,22.3 18.391,22.135 C28.2@19.701,22.135
12V: C21.1 C23.1 C25.1 L1.2 P2.3 R10.2 U7.4 | length 29
  Top Layer w0.2: U7.4@16.524,21.8 18.224,21.8 18.9,21.124 18.9,21.122 19.111,20.911 C25.1@19.701,20.911 19.701,20.451 20.102,20.05 20.114,20.063 v2(22.074,20.063)
  Top Layer w0.5: 33.667,23.45 34.87,23.45 35.178,23.142 R10.2@36.197,23.142 36.237,23.102 36.657,23.102 36.95,22.809 36.95,17.075 37.95,16.075 39.935,16.075 41,15.01 41,12.318 40.707,12.025 P2.3@39.5,12.025 ; P2.3@39.525,11.9 P2.3@39.525,12.015
  Bottom Layer w0.2: v2(22.074,20.063) 23.511,20.063 23.523,20.05 23.725,20.05 v1(25.25,21.575)
12VOUT: C29.2 U7.3 | length 2
  Top Layer w0.2: U7.3@16.524,21.3 17.75,21.3 18.255,20.795 C29.2@18.275,20.795
48V: C15.1 C16.1 C17.1 C32.2 C39.1 C40.1 C41.2 C42.2 C43.2 J5.1 Q1.2 Q1.11 Q1.13 Q2.2 Q2.11 Q2.13 R8.2 U4.2 U4.3 U5.5 U7.33 | length 19.6
  Top Layer w0.2: C39.1@4.918,20.783 4.918,21.408 5.035,21.525 6.773,21.525 7.023,21.775 7.479,21.775 7.484,21.781 8.105,21.781 U7.33@8.124,21.8
  Top Layer w0.5: Q1.11@14.607,8.543 15.707,8.543 16.507,8.543 Q1.13@16.657,8.693 ; Q2.11@23.45,8.543 Q2.13@25.35,8.543 ; Q2.13@25.5,8.693 Q2.13@25.35,8.543 ; Q2.2@27.55,8.543 Q2.13@25.35,8.543
  Top Layer w0.7: 13.507,8.543 Q1.11@14.607,8.543 ; Q1.13@15.707,8.543 Q1.13@16.35,8.543 ; Q1.13@16.507,8.543 Q1.2@18.707,8.543 19.35,8.543 ; 22.704,8.388 22.842,8.525 Q2.13@25.9,8.525
  Bottom Layer w0.5: U5.5@3.815,27.825 U5.5@3.82,27.82 ; U5.5@3.83,27.82 3.83,26.455 R8.2@3.835,26.45
A1: C35.2 C46.2 P3.4 Q2.3 Q2.14 U7.45 | length 26.1
  Top Layer w0.2: U7.45@13.574,18.85 13.574,17.627 14.325,16.877 14.325,16.25 14.8,15.775 C35.2@14.8,15.725 v3(14.8,14.325) ; Q2.14@26.25,6.193 26.25,6.743 27.1,7.593 27.4,7.593 Q2.3@27.55,7.743
  Bottom Layer w0.2: v3(14.8,14.325) 18.15,14.325 20.575,11.9 20.575,7.15 22.55,5.175 25.85,5.175 26.25,5.575 26.25,6.15 v1(26.2,6.2)
A2: C33.2 C44.2 P3.3 Q2.10 Q2.15 U7.48 | length 21.2
  Top Layer w0.2: U7.48@15.074,18.85 15.093,18.831 15.093,18.132 16.847,16.378 17.128,16.378 C33.2@17.3,16.206 v3(17.3,15.025) ; Q2.10@23.45,7.743 23.6,7.593 23.9,7.593 24.75,6.743 Q2.15@24.75,6.193
  Bottom Layer w0.2: v3(17.3,15.025) 18.65,15.025 21.85,11.825 21.85,6.85 22.55,6.15 v1(24.775,6.15)
B1: C34.2 C47.2 P3.2 Q1.3 Q1.14 U7.37 | length 20.7
  Top Layer w0.2: C34.2@7.825,16.13 8.65,15.305 v3(8.65,14.313) ; C34.2@7.87,16.155 8.094,16.379 8.094,16.385 9.574,17.866 U7.37@9.574,18.85 ; v1(17.407,6.193) 17.407,6.743 18.257,7.593 18.557,7.593 Q1.3@18.707,7.743
  Bottom Layer w0.2: v3(8.65,14.313) 10.649,14.313 17.4,7.561 17.4,6.2 v1(17.407,6.193)
B2: C36.2 C45.2 P3.1 Q1.10 Q1.15 U7.40 | length 17.9
  Top Layer w0.2: C36.2@9.9,15.775 C36.2@9.9,15.725 ; v3(10.475,13.638) 10.475,15.15 C36.2@9.9,15.725 ; U7.40@11.074,18.85 11.074,17.799 9.9,16.625 C36.2@9.9,15.725 ; Q1.10@14.607,7.743 14.757,7.593 15.057,7.593 15.907,6.743 v1(15.907,6.193)
  Bottom Layer w0.2: v3(10.475,13.638) 10.475,13.625 15.907,8.193 v1(15.907,6.193)
BUCK1_CB: C19.2 U5.1 | length 4.3
  Bottom Layer w0.5: U5.1@2.875,30.225 2.9,30.201 2.9,29.725 3.2,29.425 5.216,29.425 5.646,29.855 6.16,29.855 C19.2@6.2,29.895 6.16,29.935 C19.2@6.14,29.935 ; U5.1@2.901,30.075 U5.1@2.901,30.2